# Altium PCB UHF Transceiver PCB.PcbDoc (part 4 of 5) (continued)
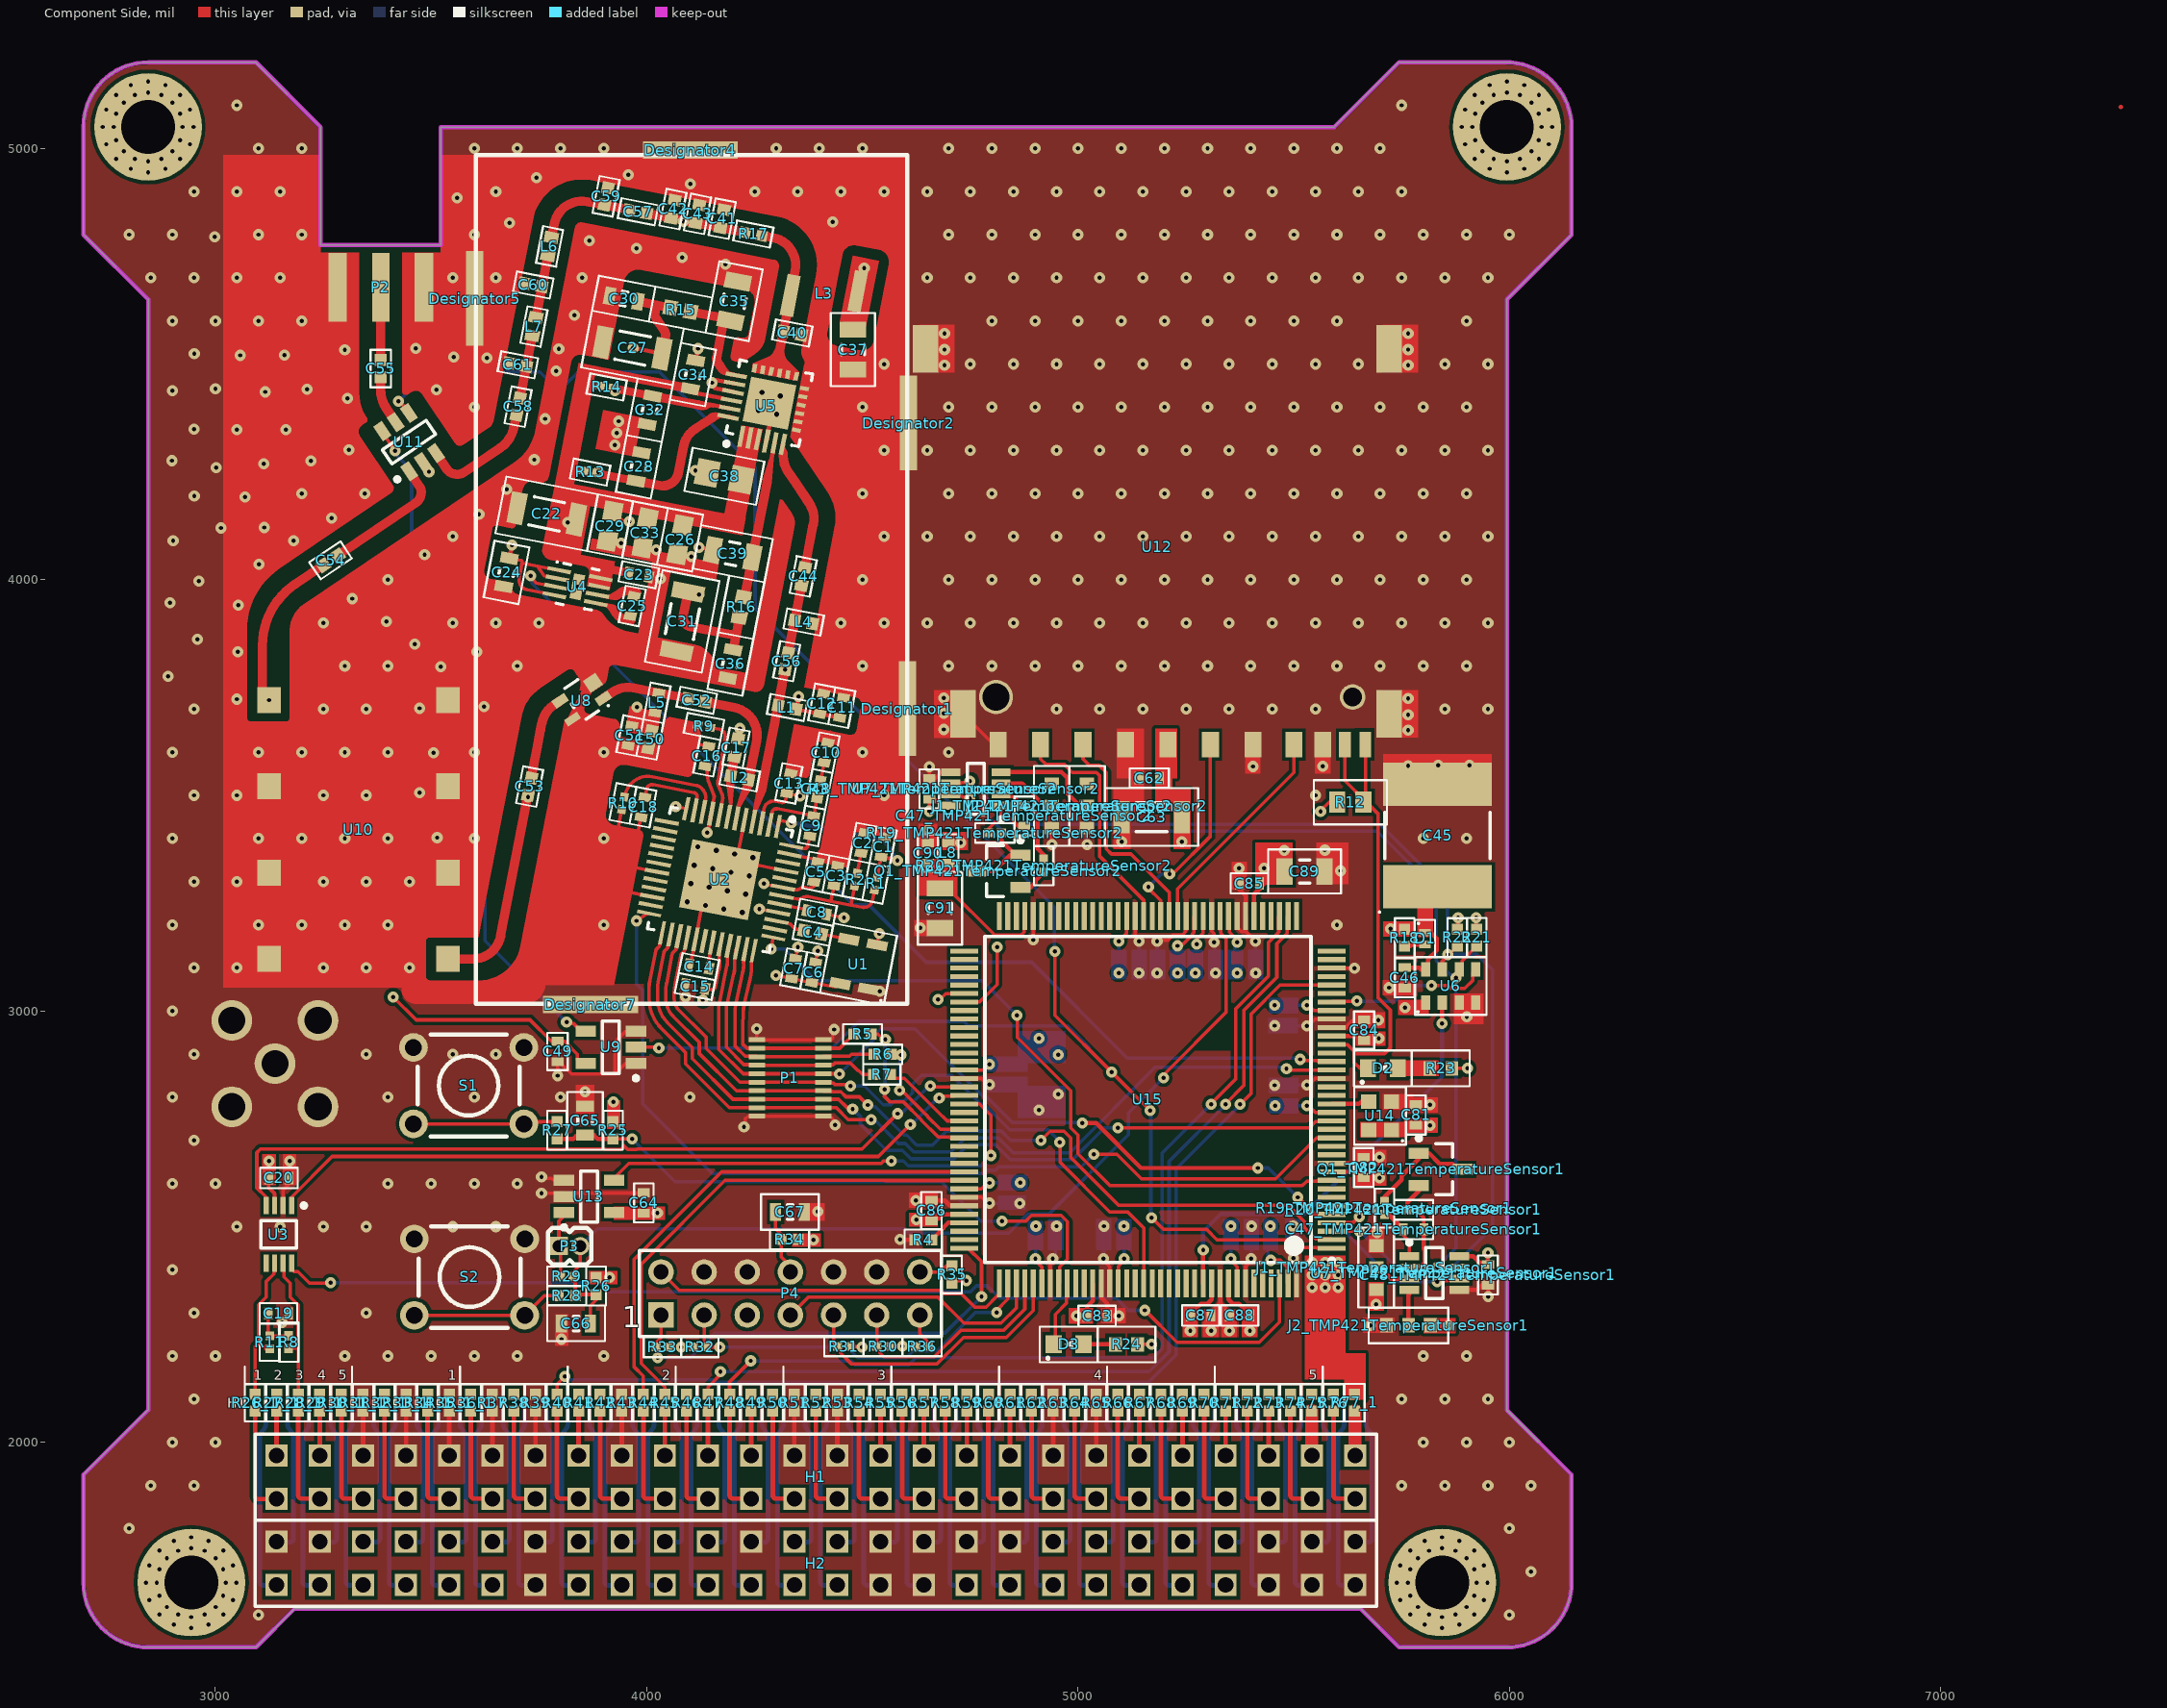
[diagram p0: Component Side view]
## Nets (pads, with @x,y where several pads share a name; then routed paths per layer and width w, separated by ;. In a path a pad name is that pad's centre, name@x,y a point inside that pad or via, vN(x,y) a via of type N, cw(c..) or ccw(c..) an arc to the next point about the centre after c; other vN are vias at no path point) (continued)
P94: R6.2 U15.94 | length 296.4
  Component Side w8: R6.2@4566.44,2894.73 R6.2@4568.27,2896.56 ; R6.2@4566.69,2899.31 4568,2898 v1(4589,2898) ; v1(4586,2816) 4590.83,2816 4604.83,2802 4605,2802 4651.92,2755.08 4651.92,2754.08 4680.52,2725.48 U15.94@4735.62,2725.48
  Solder Side w8: v1(4586,2816) 4587.5,2817.5 4587.5,2896.5 v1(4589,2898)
P95: R5.1 U15.95 | length 396.6
  Component Side w8: R5.1@4519.69,2946.63 4535.54,2946.63 4548.17,2934 v1(4553,2934) ; v1(4551,2818) 4551,2802.21 4550.9,2802.1 4564.08,2788.92 4595.32,2788.92 4635.92,2748.32 4635.92,2747.25 4675.53,2707.64 4701.3,2707.64 4703.14,2705.8 U15.95@4735.62,2705.8
  Solder Side w8: v1(4551,2818) 4552,2819 4552,2933 v1(4553,2934)
P98: U15.98
P99: H1.19 R44.1 R44.2 U15.99 | length 1433.4
  Component Side w8: R44.1@3991.92,2111.44 3991.92,2153.52 3971,2174.44 3971,2424.84 4173.22,2627.06 U15.99@4735.62,2627.06
  Component Side w10.8: R44.2@3991.92,2073 R44.2@3991.92,2072.07 3991.92,1877.55 ; H1.19@4041.92,1869.38 4000.09,1869.38 ; 3991.92,1877.55 ccw(c4000.09,1877.55) 4000.09,1869.38 ; 3991.92,1877.55 ccw(c4000.09,1877.55) 4000.09,1869.38
P100: H1.20 R45.1 R45.2 U15.100 | length 1257.6
  Component Side w8: R45.2@4041.92,2111.44 4041.92,2128.08 3987,2183 3987,2413 4181.37,2607.37 4552.76,2607.37 4553.05,2607.08 4735.33,2607.08 U15.100@4735.62,2607.37
  Component Side w10.8: H1.20@4041.92,1969.38 R45.1@4041.92,2072.07 R45.1@4041.92,2073.27
P128: U15.128
P129: U15.129
P131: U15.131
P132: U15.132
POWER1: H1.5 R30_1.1 R30_1.2 | length 263
  Component Side w10.8: R30_1.2@3291.92,2073 3291.92,1877.55 ; H1.5@3341.92,1869.38 3300.09,1869.38 ; 3291.92,1877.55 ccw(c3300.09,1877.55) 3300.09,1869.38 ; 3291.92,1877.55 ccw(c3300.09,1877.55) 3300.09,1869.38
POWER2: H1.7 R32_1.1 R32_1.2 | length 263
  Component Side w10.8: R32_1.2@3391.92,2073 3391.92,1877.55 ; H1.7@3441.92,1869.38 3400.09,1869.38 ; 3391.92,1877.55 ccw(c3400.09,1877.55) 3400.09,1869.38 ; 3391.92,1877.55 ccw(c3400.09,1877.55) 3400.09,1869.38
POWER3: H1.9 R34_1.1 R34_1.2 | length 263
  Component Side w10.8: R34_1.2@3491.92,2073 3491.92,1877.55 ; H1.9@3541.92,1869.38 3500.09,1869.38 ; 3491.92,1877.55 ccw(c3500.09,1877.55) 3500.09,1869.38 ; 3491.92,1877.55 ccw(c3500.09,1877.55) 3500.09,1869.38
POWER4: H1.11 R36_1.1 R36_1.2 | length 263
  Component Side w10.8: R36_1.2@3591.92,2073 3591.92,1877.55 ; H1.11@3641.92,1869.38 3600.09,1869.38 ; 3591.92,1877.55 ccw(c3600.09,1877.55) 3600.09,1869.38 ; 3591.92,1877.55 ccw(c3600.09,1877.55) 3600.09,1869.38
POWER5: H1.13 R38.1 R38.2 | length 263
  Component Side w10.8: R38.2@3691.92,2073 3691.92,1877.55 ; H1.13@3741.92,1869.38 3700.09,1869.38 ; 3691.92,1877.55 ccw(c3700.09,1877.55) 3700.09,1869.38 ; 3691.92,1877.55 ccw(c3700.09,1877.55) 3700.09,1869.38
POWER6: H1.17 R42.1 R42.2 | length 263
  Component Side w10.8: R42.2@3891.92,2073 3891.92,1877.55 ; H1.17@3941.92,1869.38 3900.09,1869.38 ; 3891.92,1877.55 ccw(c3900.09,1877.55) 3900.09,1869.38 ; 3891.92,1877.55 ccw(c3900.09,1877.55) 3900.09,1869.38
POWER7: H1.25 R50.1 R50.2 | length 263
  Component Side w10.8: R50.2@4291.92,2073 4291.92,1877.55 ; H1.25@4341.92,1869.38 4300.09,1869.38 ; 4291.92,1877.55 ccw(c4300.09,1877.55) 4300.09,1869.38 ; 4291.92,1877.55 ccw(c4300.09,1877.55) 4300.09,1869.38
POWER8: H1.27 R52.1 R52.2 | length 263
  Component Side w10.8: R52.2@4391.92,2073 4391.92,1877.55 ; H1.27@4441.92,1869.38 4400.09,1869.38 ; 4391.92,1877.55 ccw(c4400.09,1877.55) 4400.09,1869.38 ; 4391.92,1877.55 ccw(c4400.09,1877.55) 4400.09,1869.38
POWER9: H1.37 R62.1 R62.2 | length 263
  Component Side w10.8: R62.2@4891.92,2073 4891.92,1877.55 ; H1.37@4941.92,1869.38 4900.09,1869.38 ; 4891.92,1877.55 ccw(c4900.09,1877.55) 4900.09,1869.38 ; 4891.92,1877.55 ccw(c4900.09,1877.55) 4900.09,1869.38
POWER10: H1.39 R64.1 R64.2 | length 263
  Component Side w10.8: R64.2@4991.92,2073 4991.92,1877.55 ; H1.39@5041.92,1869.38 5000.09,1869.38 ; 4991.92,1877.55 ccw(c5000.09,1877.55) 5000.09,1869.38 ; 4991.92,1877.55 ccw(c5000.09,1877.55) 5000.09,1869.38
POWER11: H1.42 R67.1 R67.2 | length 103.9
  Component Side w10.8: H1.42@5141.92,1969.38 R67.1@5141.92,2073.27
POWER12: H1.44 R69.1 R69.2 | length 103.9
  Component Side w10.8: H1.44@5241.92,1969.38 R69.1@5241.92,2073.27
POWER13: H1.46 R71.1 R71.2 | length 103.9
  Component Side w10.8: H1.46@5341.92,1969.38 R71.1@5341.92,2073.27
POWER14: H1.47 R72.1 R72.2 | length 263
  Component Side w10.8: R72.2@5391.92,2073 5391.92,1877.55 ; H1.47@5441.92,1869.38 5400.09,1869.38 ; 5391.92,1877.55 ccw(c5400.09,1877.55) 5400.09,1869.38 ; 5391.92,1877.55 ccw(c5400.09,1877.55) 5400.09,1869.38
POWER15: H1.48 R73.1 R73.2 | length 103.9
  Component Side w10.8: H1.48@5441.92,1969.38 R73.1@5441.92,2073.27
POWER16: H1.49 R74.1 R74.2 | length 263
  Component Side w10.8: R74.2@5491.92,2073 5491.92,1877.55 ; H1.49@5541.92,1869.38 5500.09,1869.38 ; 5491.92,1877.55 ccw(c5500.09,1877.55) 5500.09,1869.38 ; 5491.92,1877.55 ccw(c5500.09,1877.55) 5500.09,1869.38
POWER17: 
POWER18: H1.51 R76.1 R76.2 | length 263
  Component Side w10.8: R76.2@5591.92,2073 5591.92,1877.55 ; H1.51@5641.92,1869.38 5600.09,1869.38 ; 5591.92,1877.55 ccw(c5600.09,1877.55) 5600.09,1869.38 ; 5591.92,1877.55 ccw(c5600.09,1877.55) 5600.09,1869.38
POWER19: 
POWER20: H2.1 R78.1 R78.2 | length 495
  Solder Side w10.8: R78.2@3116.92,2072.07 3116.92,2043.9 ; H2.1@3143.92,1668.44 3111.06,1668.44 ; 3102.89,1676.62 ccw(c3111.06,1676.62) 3111.06,1668.44 ; 3102.89,1676.62 ccw(c3111.06,1676.62) 3111.06,1668.44 ; 3102.89,1676.62 3102.89,2010.23 ; 3102.89,2010.23 cw(c3126.59,2010.23) 3109.83,2026.99 ; 3102.89,2010.23 cw(c3126.59,2010.23) 3109.83,2026.99 ; 3109.83,2026.99 3109.97,2027.13 ; 3109.97,2027.13 ccw(c3093.21,2043.9) 3116.92,2043.9 ; 3109.97,2027.13 ccw(c3093.21,2043.9) 3116.92,2043.9
POWER21: H2.3 R80.1 R80.2 | length 495
  Solder Side w10.8: R80.2@3216.92,2072.07 3216.92,2043.9 ; H2.3@3243.92,1668.44 3211.06,1668.44 ; 3202.89,1676.62 ccw(c3211.06,1676.62) 3211.06,1668.44 ; 3202.89,1676.62 ccw(c3211.06,1676.62) 3211.06,1668.44 ; 3202.89,1676.62 3202.89,2010.23 ; 3202.89,2010.23 cw(c3226.59,2010.23) 3209.83,2026.99 ; 3202.89,2010.23 cw(c3226.59,2010.23) 3209.83,2026.99 ; 3209.83,2026.99 3209.97,2027.13 ; 3209.97,2027.13 ccw(c3193.21,2043.9) 3216.92,2043.9 ; 3209.97,2027.13 ccw(c3193.21,2043.9) 3216.92,2043.9
POWER22: H2.23 R100.1 R100.2 | length 495
  Solder Side w10.8: R100.2@4216.92,2072.07 4216.92,2043.9 ; H2.23@4243.92,1668.44 4211.06,1668.44 ; 4202.89,1676.62 ccw(c4211.06,1676.62) 4211.06,1668.44 ; 4202.89,1676.62 ccw(c4211.06,1676.62) 4211.06,1668.44 ; 4202.89,1676.62 4202.89,2010.23 ; 4202.89,2010.23 cw(c4226.59,2010.23) 4209.83,2026.99 ; 4202.89,2010.23 cw(c4226.59,2010.23) 4209.83,2026.99 ; 4209.83,2026.99 4209.97,2027.13 ; 4209.97,2027.13 ccw(c4193.21,2043.9) 4216.92,2043.9 ; 4209.97,2027.13 ccw(c4193.21,2043.9) 4216.92,2043.9
POWER23: H2.33 R110.1 R110.2 | length 495
  Solder Side w10.8: R110.2@4716.92,2072.07 4716.92,2043.9 ; H2.33@4743.92,1668.44 4711.06,1668.44 ; 4702.89,1676.62 ccw(c4711.06,1676.62) 4711.06,1668.44 ; 4702.89,1676.62 ccw(c4711.06,1676.62) 4711.06,1668.44 ; 4702.89,1676.62 4702.89,2010.23 ; 4702.89,2010.23 cw(c4726.59,2010.23) 4709.83,2026.99 ; 4702.89,2010.23 cw(c4726.59,2010.23) 4709.83,2026.99 ; 4709.83,2026.99 4709.97,2027.13 ; 4709.97,2027.13 ccw(c4693.21,2043.9) 4716.92,2043.9 ; 4709.97,2027.13 ccw(c4693.21,2043.9) 4716.92,2043.9
POWER24: H2.35 R112.1 R112.2 | length 495
  Solder Side w10.8: R112.2@4816.92,2072.07 4816.92,2043.9 ; H2.35@4843.92,1668.44 4811.06,1668.44 ; 4802.89,1676.62 ccw(c4811.06,1676.62) 4811.06,1668.44 ; 4802.89,1676.62 ccw(c4811.06,1676.62) 4811.06,1668.44 ; 4802.89,1676.62 4802.89,2010.23 ; 4802.89,2010.23 cw(c4826.59,2010.23) 4809.83,2026.99 ; 4802.89,2010.23 cw(c4826.59,2010.23) 4809.83,2026.99 ; 4809.83,2026.99 4809.97,2027.13 ; 4809.97,2027.13 ccw(c4793.21,2043.9) 4816.92,2043.9 ; 4809.97,2027.13 ccw(c4793.21,2043.9) 4816.92,2043.9
RTCK: P4.9 R31.1 U15.113 | length 666.2
  Component Side w8: P4.9@4433,2295 4433,2231.21 R31.1@4442.2,2222 4443.16,2222 4449,2216.16 4449,2207.19 4474.11,2182.08 4673.11,2182.08 4734.03,2243 4833.5,2243 4896.06,2305.56 U15.113@4896.06,2368.2
SPI2_CLK: H1.21 R46.1 R46.2 | length 263
  Component Side w10.8: R46.2@4091.92,2073 4091.92,1877.55 ; H1.21@4141.92,1869.38 4100.09,1869.38 ; 4091.92,1877.55 ccw(c4100.09,1877.55) 4100.09,1869.38 ; 4091.92,1877.55 ccw(c4100.09,1877.55) 4100.09,1869.38
SPI3_CLK: H1.29 R54.1 R54.2 | length 263
  Component Side w10.8: R54.2@4491.92,2073 4491.92,1877.55 ; H1.29@4541.92,1869.38 4500.09,1869.38 ; 4491.92,1877.55 ccw(c4500.09,1877.55) 4500.09,1869.38 ; 4491.92,1877.55 ccw(c4500.09,1877.55) 4500.09,1869.38
SPI3_MISO: H1.30 R55.1 R55.2 | length 103.9
  Component Side w10.8: H1.30@4541.92,1969.38 R55.1@4541.92,2073.27
SPI3_MOSI: H1.31 R56.1 R56.2 | length 263
  Component Side w10.8: R56.2@4591.92,2073 4591.92,1877.55 ; H1.31@4641.92,1869.38 4600.09,1869.38 ; 4591.92,1877.55 ccw(c4600.09,1877.55) 4600.09,1869.38 ; 4591.92,1877.55 ccw(c4600.09,1877.55) 4600.09,1869.38
SPI4_CLK: H1.36 R61.1 R61.2 | length 103.9
  Component Side w10.8: H1.36@4841.92,1969.38 R61.1@4841.92,2073.27
SPI4_MISO: H1.33 R58.1 R58.2 | length 263
  Component Side w10.8: R58.2@4691.92,2073 4691.92,1877.55 ; H1.33@4741.92,1869.38 4700.09,1869.38 ; 4691.92,1877.55 ccw(c4700.09,1877.55) 4700.09,1869.38 ; 4691.92,1877.55 ccw(c4700.09,1877.55) 4700.09,1869.38
SPI4_MOSI: H1.35 R60.1 R60.2 | length 263
  Component Side w10.8: R60.2@4791.92,2073 4791.92,1877.55 ; H1.35@4841.92,1869.38 4800.09,1869.38 ; 4791.92,1877.55 ccw(c4800.09,1877.55) 4800.09,1869.38 ; 4791.92,1877.55 ccw(c4800.09,1877.55) 4800.09,1869.38
TCK: P4.11 R30.1 U15.112 | length 536.9
  Component Side w8: P4.11@4533,2295 4533.2,2294.8 R30.1@4533.2,2222 4534.16,2222 4540,2216.16 4540,2207.19 4549.11,2198.08 4666.48,2198.08 4728.48,2260.08 4827.95,2260.08 4876.37,2308.5 U15.112@4876.37,2368.2
TDI: P4.3 R32.1 U15.110 | length 881
  Component Side w8: P4.3@4133,2295 4133,2225.76 R32.1@4137.76,2221 v1(4169,2221) ; v1(4811,2301) 4811,2305.83 4837,2331.83 U15.110@4837,2368.2
  Solder Side w8: v1(4169,2221) 4463.76,2221 4488.68,2196.08 4601.32,2196.08 4617.24,2212 4672.63,2212 4761.63,2301 v1(4811,2301)
TDO: P4.7 U15.111 | length 637.3
  Component Side w8: P4.7@4333,2295 4374.53,2336.53 4674.6,2336.53 4735.05,2276.08 4821.32,2276.08 4856.69,2311.44 U15.111@4856.69,2368.2
TMS: P4.1 R33.1 U15.108 | length 1049.9
  Component Side w8: v1(4025,2196) 4023.24,2197.76 4023.24,2219.24 R33.1@4021.47,2221 4021.47,2230.84 4033,2242.37 P4.1@4033,2295 ; U15.108@4735.62,2449.89 4745,2449.89 4776,2418.89 v1(4776,2338)
  Solder Side w8: v1(4025,2196) 4045.16,2196 4046.16,2197 4047.08,2196.08 4101.08,2196.08 4158.47,2253.47 4691.47,2253.47 v1(4776,2338)
VBATT_1: H2.45 R122.1 R122.2 | length 495
  Solder Side w10.8: R122.2@5316.92,2072.07 5316.92,2043.9 ; H2.45@5343.92,1668.44 5311.06,1668.44 ; 5302.89,1676.62 ccw(c5311.06,1676.62) 5311.06,1668.44 ; 5302.89,1676.62 ccw(c5311.06,1676.62) 5311.06,1668.44 ; 5302.89,1676.62 5302.89,2010.23 ; 5302.89,2010.23 cw(c5326.59,2010.23) 5309.83,2026.99 ; 5302.89,2010.23 cw(c5326.59,2010.23) 5309.83,2026.99 ; 5309.83,2026.99 5309.97,2027.13 ; 5309.97,2027.13 ccw(c5293.21,2043.9) 5316.92,2043.9 ; 5309.97,2027.13 ccw(c5293.21,2043.9) 5316.92,2043.9
VBATT_2: H2.46 R123.1 R123.2 | length 374.4
  Solder Side w10.8: H2.46@5341.92,1768.44 5372.77,1768.44 ; R123.1@5366.92,2072.07 5366.92,2043.9 ccw(c5390.62,2043.9) 5373.86,2027.13 5374,2026.99 ; 5372.77,1768.44 ccw(c5372.77,1776.62) 5380.95,1776.62 ; 5372.77,1768.44 ccw(c5372.77,1776.62) 5380.95,1776.62 ; 5374,2026.99 cw(c5357.24,2010.23) 5380.95,2010.23 ; 5374,2026.99 cw(c5357.24,2010.23) 5380.95,2010.23 ; 5380.95,1776.62 5380.95,2010.23
VPA(3V3): C22.1 C23.2 C26.2 C29.2 C33.2 C34.1 C38.2 R13.2 R14.2 TP1.1 U4.7 U4.8 U5.1 U5.2 U5.3 U5.22 | length 496.8
  Component Side w10: C29.2@3921.43,4158.02 3944.45,4135 v1(3959,4135)
  Component Side w10.24: C34.1@4101.83,4434.48 U5.22@4176.57,4419.95
  Component Side w19.68: 3818.2,4259.41 R13.2@3854.23,4252.41 ; 3856.51,4456.51 R14.2@3892.54,4449.51
  Component Side w20: C23.2@3958.42,4015.83 3905.73,4026.07 ; 3905.73,4026.07 ccw(c3905.48,4024.8) 3904.21,4025.05 cw(c3905.48,4024.8) 3905.73,4026.07
  Component Side w21.55: 3862.78,4488.77 C34.1@4100.74,4442.51
  other v1: 3817,4133
VRF(3V3): C5.2 C6.2 C7.2 C11.2 C12.2 C13.2 C15.2 C16.2 C24.2 C37.2 C49.1 C50.2 C51.1 L1.2 L3.2 L5.1 U1.4 U2.3 U2.9 U2.32 U2.40 U2.43 U4.1 U4.2 U4.4 U9.5 | length 2019
  Component Side w8: v1(3412,3032.52) 3465.16,2979.36 3729.09,2979.36 3778.83,2929.62 C49.1@3793,2929.62 3809.38,2929.62 3839.07,2899.93 3839.07,2887.39 3847.86,2878.6 U9.5@3858.69,2878.6 ; C24.2@3671.19,4052.03 3681.3,4050.06 3682.04,4049.92 3708.16,4044.84 cw(c3707.47,4041.27) 3711.09,4040.83 ; 3709.76,4033.96 3706.96,4019.6 3704.09,4004.79 ccw(c3727.92,4000.16) 3723.29,3976.32 U4.4@3785.65,3964.2 ; 3747.03,4031.34 3761.87,4009.33 3775.12,4006.75 U4.2@3793.16,4003.25 ; U4.2@3774.95,4005.88 U4.2@3793.06,4002.36 ; U4.1@3796.82,4021.68 3747.03,4031.36 3724.37,4035.76 3712.89,4038 3711.07,4040.7 ; v1(4130.14,3026) 4130.14,3053.38 C15.2@4130.69,3053.94 ; C15.2@4133.69,3052.58 4135.15,3052.3 4149.92,3049.43 ; C16.2@4140.53,3562.23 ccw(c4194.17,3551.8) 4142.77,3533.25 ; v1@4142.8,3423.5 U2.9@4149.46,3457.77 U2.9@4149.19,3456.47 ; 4143.29,3531.85 4154.7,3502.76 4155,3502 ; U2.9@4148.75,3455.05 4149.11,3457.69 U2.9@4149.13,3457.83 ; U2.9@4148.93,3457.87 4155.84,3493.41 ; 4149.95,3049.55 ccw(c4151.42,3057.14) 4159,3055.64 ; 4159.39,3055.57 4167.12,3095.35 4167.26,3096.1 ; U2.32@4166.07,3131.96 4166.11,3130.75 4168.49,3143.01 U2.32@4170.02,3150.87 ; 4167.2,3095.33 ccw(c4106.47,3110.15) 4168.6,3117.05 ; 4167.81,3122.21 cw(c4106.47,3110.15) 4168.01,3121.11 ; 4168.81,3115.95 cw(c4230.15,3128.01) 4168.6,3117.05 ; U2.32@4169.41,3142.83 ccw(c4230.15,3128.01) 4168.01,3121.11 ; v1(4261,3236.5) U2.40@4304.37,3228.11 ; U2.3@4265.32,3435.24 4271.68,3467.93 ; v1@4271.44,3294.67 U2.43@4315.64,3286.08 U2.43@4342.16,3280.92 ; 4272.02,3468.69 cw(c4294,3464.41) 4298.27,3486.39 ; 4298.13,3486.25 4298.24,3486.23 4312.33,3483.49 ; v1(4299.9,3082.35) 4335.97,3075.34 C7.2@4336.87,3075.16 ; 4312.83,3483.49 ccw(c4314.35,3491.34) 4321.67,3488.13 ; 4321.65,3488.04 4321.67,3488.13 ; 4321.83,3488.93 C13.2@4324.83,3504.38 v1(4355.39,3498.44) ; 4321.89,3489.41 4321.95,3489.68 ; 4322.18,3489.75 cw(c4314.35,3491.34) 4321.67,3488.13 ; C7.2@4335.94,3075.18 C6.2@4382.31,3066.17 ; 4371.98,3285.28 4367.76,3286.13 ; 4372.05,3285.02 ccw(c4375.31,3301.77) C5.2@4392.03,3298.37 ; C6.2@4389.07,3064.85 C6.2@4382.31,3066.17 ; U1.4@4448.27,3063.61 4436.46,3055.64 C6.2@4382.31,3066.17 ; 3711.07,4040.7 ccw(c3707.47,4041.27) 3711.08,4040.75 ; 3711.07,4040.7 3709.77,4034.01 3711.08,4040.75 ; 3711.08,4040.75 ccw(c3707.47,4041.27) 3711.09,4040.83 ; 3711.08,4040.75 ccw(c3707.49,4041.4) 3711.09,4040.83 ; 3711.08,4040.75 3711.09,4040.83 ; 4168.01,3121.11 ccw(c4230.15,3128.01) 4168.6,3117.05 ; 4168.01,3121.11 cw(c4106.47,3110.15) 4168.6,3117.05 ; 4321.67,3488.13 4321.81,3488.86 ; 4321.81,3488.86 ccw(c4313.44,3490.56) 4321.82,3488.92 4321.81,3488.86 ; U2.43@4342.16,3280.92 ccw(c4345.36,3297.39) 4354.73,3283.48 ; U2.43@4342.16,3280.92 ccw(c4345.36,3297.39) 4354.73,3283.48 ; 4354.73,3283.48 cw(c4364.45,3269.08) 4367.76,3286.13 ; 4354.73,3283.48 cw(c4364.45,3269.08) 4367.76,3286.13 ; C5.2@4392.06,3298.51 4392.92,3302.94 ccw(c4371.86,3307.23) 4392.96,3303.13 C5.2@4392.06,3298.51
  Component Side w8.1: 4154.46,3503.23 cw(c4141.17,3496.27) 4154.7,3502.76 cw(c4141.17,3496.27) 4155.9,3493.4
  Component Side w10: C24.2@3682,4049.72 3682.04,4049.92 v1(3687.38,4080.68) v1@3687.62,4082.05 ; C51.1@3965.36,3661.69 3967.31,3671.73 3976.81,3681.23 3976.81,3682.05 ; v1(3976.81,3704.38) 3973.44,3687.04 3976.81,3682.05 ; C50.2@4011.06,3649.19 3997.14,3651.9 3982.66,3673.36 3976.81,3682.05 ; v1@4137.87,3412.27 4140.36,3413.95 4140.92,3414.33 4142.71,3423.52 4149.1,3456.41 U2.9@4149.19,3456.47 ; L1.2@4346.34,3699.61 L1.2@4346.43,3699.68 ; L1.2@4346.47,3700.28 v1(4352.06,3729.06) ; L1.2@4346.56,3700.34 L1.2@4346.43,3699.68 ; C11.2@4447.26,3680.08 C12.2@4400.88,3689.09 L1.2@4346.43,3699.68
  other v1: 4271.61,3295.54 4140.33,3414 4504,4722.54
VRTC(2V9): C45.1 C46.1 D1.2 U6.8 | length 165.2
  Component Side w10: C46.1@5757,3100.62 5790.62,3100.62 5794.86,3096.39 U6.8@5805.69,3096.39 5811.51,3102.21 5811.51,3120.71 5830.78,3139.98 5830.78,3168.46 5821.32,3177.92 5807.86,3177.92 D1.2@5804,3181.78
pads on no net: U2.13 U2.14 U2.15 U2.16 U2.17 U2.18 U2.20 U2.21 U2.23 U2.30 U2.38 U2.44 U2.46 U15.7 U15.8 U15.19 U15.20 U15.119
copper on no net: | length 1
  Component Side w10: 7417.15,5096.45 7417.82,5095.77
  other v2: 2943.98,1569.7 5843.98,1569.7 2903.8,1577.69 2984.16,1577.69 5803.8,1577.69 5884.16,1577.69 2943.98,1594.7 5843.98,1594.7 2869.73,1600.46 3018.22,1600.46 5769.73,1600.46 5918.22,1600.46 2913.36,1600.79 2974.59,1600.79 5813.36,1600.79 5874.59,1600.79 2887.41,1618.13 3000.55,1618.13 5787.41,1618.13 5900.55,1618.13 2846.97,1634.52 3040.99,1634.52 5746.97,1634.52 5940.99,1634.52 2870.07,1644.09 3017.89,1644.09 5770.07,1644.09 5917.89,1644.09 2838.98,1674.7 2863.98,1674.7 3023.98,1674.7 3048.98,1674.7 5738.98,1674.7 5763.98,1674.7 5923.98,1674.7 5948.98,1674.7 2870.07,1705.32 3017.89,1705.32 5770.07,1705.32 5917.89,1705.32 2846.97,1714.88 3040.99,1714.88 5746.97,1714.88 5940.99,1714.88 2887.41,1731.27 3000.55,1731.27 5787.41,1731.27 5900.55,1731.27 2869.73,1748.95 2913.36,1748.61 2974.59,1748.61 3018.22,1748.95 5769.73,1748.95 5813.36,1748.61 5874.59,1748.61 5918.22,1748.95 2943.98,1754.7 5843.98,1754.7 2903.8,1771.71 2984.16,1771.71 5803.8,1771.71 5884.16,1771.71 2943.98,1779.7 5843.98,1779.7 2843.98,4944.7 5993.98,4944.7 2803.8,4952.7 2884.16,4952.7 5953.8,4952.69 6034.16,4952.69 2843.98,4969.7 5993.98,4969.7 2769.73,4975.46 2918.22,4975.46 5919.73,4975.46 6068.22,4975.46 2813.36,4975.79 2874.59,4975.79 5963.36,4975.79 6024.59,4975.79 2787.41,4993.13 2900.55,4993.13 5937.41,4993.13 6050.55,4993.13 2746.97,5009.52 2940.98,5009.52 5896.97,5009.52 6090.99,5009.52 2770.07,5019.09 2917.89,5019.09 5920.07,5019.09 6067.89,5019.09 2738.98,5049.7 2763.98,5049.7 2923.98,5049.7 2948.98,5049.7 5888.98,5049.7 5913.98,5049.7 6073.98,5049.7 6098.98,5049.7 2770.07,5080.32 2917.89,5080.32 5920.07,5080.32 6067.89,5080.32 2746.97,5089.88 2940.99,5089.88 5896.97,5089.88 6090.99,5089.88 2787.41,5106.27 2900.55,5106.27 5937.41,5106.27 6050.55,5106.27 2769.73,5123.95 2813.36,5123.61 2874.59,5123.61 2918.22,5123.95 5919.73,5123.95 5963.36,5123.61 6024.59,5123.61 6068.22,5123.95 2843.98,5129.7 5993.98,5129.7 2803.8,5146.71 2884.16,5146.71 5953.8,5146.71 6034.16,5146.71 2843.98,5154.7 5993.98,5154.7

## Polygon pours and split planes (outlines as drawn)
+3V3 on +3V3 "+3V3-+3V3" (solid, remove dead copper, pour order 17): 2601.81,5324.38 2616.81,5309.38 2616.81,1439.38 6406.81,1439.38 6466.81,1499.38 6461.81,1504.38 6461.81,5354.38
VRF(3V3) on +3V3 "+3V3-VRF(3V3)" (solid, remove dead copper, pour order 10): 3018.63,5049.7 4608,5049.7 4608,3009.38 3018.63,3009.38
+1V2 on +3V3 "+3V3-+1V2 1" (solid, pour order 12): 5522,2439 5622,2439 5622,2337 5523,2337 5522,2336
+1V2 on +3V3 "+3V3-+1V2 2" (solid, pour order 13): 5413.34,2540.71 5548,2540.71 5548,2407 5473.21,2407
+1V2 on +3V3 "+3V3-+1V2" (solid, remove dead copper, pour order 11): 4832,2470.79 4832,3121 5488,3121 5488,2470.79
GND on Component Side "Component Side-GND" (solid, remove dead copper, pour order 21): 2651,3065.81 2651,1453 4842,1453 4842,3060.46
GND on Component Side "Component Side-GND 2" (solid, remove dead copper, pour order 27): 2662.07,3028 3007.35,3028 3032,3052.65 3032,5295 2667.61,5295
GND on Component Side "Component Side-GND 4" (solid, remove dead copper, pour order 23): 4584.1,2860 6206,2860 6206,5230 4589.9,5230
GND on Component Side "Component Side-GND 1" (solid, remove dead copper, pour order 29): 5097,4977 5097,5293 2830,5293 2830,4982.54
GND on Component Side "Component Side-GND 3" (solid, remove dead copper, pour order 25): 4604.03,1468 6202,1468 6202,2907 4607.54,2907
GND on Solder Side "Solder Side-GND" (solid, remove dead copper, pour order 19): 2546,5431 2526,5411 2526,1423 6633,1423 6633,5372.5
GND on GND (split plane): 167 vertices, not listed, extent 2700,1530.72 6137.96,5193.71

## Keep-outs
Keep-Out Layer:
  the board outline again, w10

## Other copper
Component Side:
  region net VRF(3V3): 4508.4,4586.61 4538.18,4739.84 4477.1,4751.71 4447.31,4598.48
  region net VRF(3V3): 4022.15,3632.55 4033.84,3692.7 3960.23,3707.01 3948.54,3646.86
  region net GND: 3971.44,4284.89 3989.23,4376.37 3898.81,4393.95 3881.02,4302.46
  region net VPA(3V3): 3760.64,4086.17 3803.36,4077.87 3884.57,4495.62 3841.84,4503.92
  region net VPA(3V3): 3788.61,4230.07 3780.31,4187.35 4221.38,4101.61 4229.68,4144.34
  region net VPA(3V3): 4172.72,4118.2 4222.22,4108.58 4268.99,4349.16 4219.48,4358.78
  region net GND: 226 vertices and 0 holes, not listed, extent 3018.63,3016 4343.04,4984.71
  region net GND: 3554.76,4317.27 ccw(c3566.85,4325.42) 3575,4313.33 3636.88,4355.07 ccw(c3627.64,4368.76) 3643.85,4365.61 3735.95,4835.42 cw(c3848.49,4813.53) 3870.38,4926.07 4302.46,4842.14 cw(c4280.59,4729.61) 4393.12,4707.74 4442.2,4698.2 4452.86,4753.01 cw(c4480.5,4747.64) 4485.87,4775.28 4538.88,4764.98 cw(c4533.51,4737.34) 4561.15,4731.96 4526.6,4554.23 cw(c4498.96,4559.6) 4493.59,4531.96 4440.58,4542.27 cw(c4445.95,4569.91) 4418.31,4575.28 4442.2,4698.2 4393.12,4707.74 4359.03,4532.38 ccw(c4384.37,4527.45) 4362.97,4513.02 cw(c4347.89,4502.84) 4365.75,4499.37 4333.14,4331.63 4418.82,4204.61 cw(c4327.02,4142.69) 4435.71,4121.55 4365.58,3750.86 4484.65,3727.34 cw(c4481.54,3711.37) 4497.51,3708.27 4494.72,3693.94 4489.12,3664.96 4486.4,3650.96 cw(c4473.4,3653.48) 4470.87,3640.48 4454.46,3643.67 4341.86,3665.56 4319.31,3549.57 4365.96,3540.5 ccw(c4367.7,3549.48) 4376.68,3547.74 4390.55,3619.08 cw(c4397.45,3617.74) 4398.79,3624.64 4439.08,3616.81 cw(c4437.17,3607.01) 4446.97,3605.11 4396.56,3345.77 4459.88,3333.46 ccw(c4461.25,3340.5) 4468.29,3339.13 4476.46,3381.17 4482.34,3411.46 cw(c4486.86,3410.58) 4487.74,3415.1 4604.2,3392.46 4603.97,4984.71 3522.42,4984.71 3522.42,4757.68 3433.2,4757.68 3433.2,4433.33 ccw(c3441.52,4438.95) 3447.14,4430.62 3453.53,4434.94 cw(c3464.2,4419.12) 3480.02,4429.79
  region net VPA(3V3): 3758.21,4073.67 ccw(c3781.22,4069.2) 3776.75,4046.18 3855.31,4030.91 cw(c3852.48,4016.33) 3867.06,4013.49 3861.58,3985.3 3913.25,3975.26 3926.39,4042.89 3846.71,4058.38 3869.21,4174.14 3781.07,4191.28
  region net +1V2: 5526,2432 5620,2432 5620,2146 5526,2146
  region net +1V2: 5617,2099 5666,2099 5666,2206 5622,2206 5617,2211
  region net +3V3: 3139.47,2667.74 3139.47,2596.74 3109.22,2596.74 3109.22,2667.74
  region net GND: 3186.71,2667.74 3186.71,2596.74 3156.46,2596.74 3156.46,2667.74
  region net GND: 3877.48,2828.75 3877.48,2762.75 3836.14,2762.75 3836.14,2828.75
  region net +3V3: 3938,2792.87 3938,2726.87 3907.75,2726.87 3907.75,2792.87
  region net +3V3: 3990,2516.5 3924,2516.5 3924,2546.75 3990,2546.75
  region net +3V3: 4042,2516.38 3976,2516.38 3976,2546.63 4042,2546.63
  region net +3V3: 3931.51,2367.06 3865.51,2367.06 3865.51,2397.31 3931.51,2397.31
  region net GND: 3787.53,2224 3787.53,2296 3817.78,2296 3817.78,2224
  region net +3V3: 4337,2484 4403,2484 4403,2453.75 4337,2453.75
  region net GND: 4353,2554 4412,2554 4412,2514 4353,2514
  region net +3V3: 5643.8,2952.24 5711.8,2952.24 5711.8,2919.76 5643.8,2919.76
  region net GND: 5673.51,2439 5673.51,2500 5708.87,2500 5708.87,2439
  region net +3V3: 5708.49,2371 5708.49,2305 5673.13,2305 5673.13,2371
  region net +3V3: 5801.62,2288.13 5875,2288.13 5875,2253.13 5801.62,2253.13
  region net GND: 4620,3211 4710,3211 4710,3173.57 4620,3173.57
  region net GND: 5708,3511.73 5708,3595 5958,3595 5958,3511.73
  region net GND: 4631.83,4590.46 4712.87,4590.46 4712.87,4480.46 4631.83,4480.46
  region net GND: 5706.64,4590.46 5787.68,4590.46 5787.68,4480.46 5706.64,4480.46
  region net GND: 4747.17,3633.09 4666.13,3633.09 4666.13,3743.09 4747.17,3743.09
  region net GND: 5706.64,3744 5787.68,3744 5787.68,3634 5706.64,3634
  region net GND: 5583.64,3632.04 5584.64,3631.04 5584.64,3551 5549.64,3551 5549.64,3632.04
  region net GND: 5421.24,3632.04 5422.24,3631.04 5422.24,3551 5387.24,3551 5387.24,3632.04
  region net +3V3: 5178.84,3514 5260.38,3514 5260.38,3463 5178.84,3463
  region net +3V3: 5178.84,3477.17 5178.84,3588.17 5217.6,3588.17 5217.6,3477.17
  region net GND: 5151.96,3462.84 5081.79,3462.84 5081.79,3514 5151.96,3514
  region net GND: 5123.21,3474.45 5123.21,3577.21 5151.96,3577.21 5151.96,3474.45
  region net +3V3: 5178.84,3540.16 5178.84,3654.89 5228.8,3654.89 5228.8,3540.16
  region net GND: 5090,3540.16 5090,3654.89 5152,3654.89 5152,3540.16
  region net GND: 5082.24,3376 5082.24,3487 5121,3487 5121,3376
  region net +3V3: 5221,3376 5221,3487 5260.38,3487 5260.38,3376
  region net +3V3: 5812,2990.87 5742,2990.87 5742,3025.87 5811,3025.87 5812,3024.87
  region net GND: 5938.96,3039.61 5938.96,2969.61 5872,2969.61 5872,3039.61
  region net GND: 5777,3036.25 5707,3036.25 5707,3071.25 5776,3071.25 5777,3070.25
  region net +3V3: 5777,3172.37 5708,3172.37 5708,3207.37 5776,3207.37 5777,3206.37
  region net VRTC(2V9): 5786.87,3172 5786.87,3279 5821.87,3279 5821.87,3172
  region net NetD2_1: 5835.41,2849.87 5723,2849.87 5723,2884.87 5834.41,2884.87 5835.41,2883.87
  region net GND: 5706.57,2806.61 5776.58,2806.61 5776.58,2771.61 5707.57,2771.61 5706.57,2772.61
  region net +3V3: 5755,2752.51 5833,2752.51 5833,2717.51 5755,2717.51
  region net GND: 5755.15,2799.75 5833,2799.75 5833,2764.75 5755.15,2764.75
  region net +3V3: 5763,2707.39 5653.98,2707.39 5653.98,2742.39 5763,2742.39
  region net GND: 5733.64,2253.87 5661,2253.87 5661,2288.87 5733.64,2288.87
  region net +3V3: 4674,2501 4608,2501 4608,2531.25 4674,2531.25
  region net GND: 4674,2543.49 4608,2543.49 4608,2578.49 4674,2578.49
  region net +3V3: 5034.38,2275.87 4978.22,2275.87 4978.22,2310.87 5034.38,2310.87
  region net GND: 5053.62,2311 5109.78,2311 5109.78,2276 5053.62,2276
  region net +3V3: 5277.51,2314 5277.51,2244 5242.51,2244 5242.51,2313 5243.51,2314
  region net GND: 5324.75,2308 5324.75,2244 5289.75,2244 5289.75,2308
  region net GND: 5367.88,2308 5367.88,2244 5332.88,2244 5332.88,2308
  region net +3V3: 5415.13,2314 5415.13,2244 5380.13,2244 5380.13,2313 5381.13,2314
  region net +3V3: 5642,2630.51 5714.64,2630.51 5714.64,2595.51 5643,2595.51 5642,2596.51
  region net GND: 5642,2677.75 5714.64,2677.75 5714.64,2642.75 5643,2642.75 5642,2643.75
  region net GND: 5643,2996.24 5711,2996.24 5711,2961.24 5644,2961.24 5643,2962.24
  region net GND: 5357,3281.83 5356,3282.83 5356,3345.77 5391,3345.77 5391,3281.83
  region net GND: 4631,3380 4631,3434 4673,3434 4673,3380
  region net +3V3: 4685,3373 4685,3415 4744,3415 4744,3372.3
  region net +3V3: 5496.62,3390 5496.62,3293.5 5411,3293.5 5411,3390
  region net GND: 5553,3390 5626,3390 5626,3294 5553,3294
  region net +3V3: 5422,3341 5420.62,3339.62 5420.62,3296 5481.54,3296 5478.69,3298.85 5478.69,3339.69 5480,3341
  region net NetC90_2: 4719.83,3267.02 4720.16,3352.29 4631,3352.29 4631,3267.02
  region net GND: 3860.3,3763.74 3810.3,3665.88 3848.1,3689.31 3881.88,3759.54
  region net GND: 3870.92,3638.01
  region net NetC52_2: 4208.03,3474.64 4217.27,3472.84 4243.85,3517.94 4223.61,3524.26
  region net NetC56_2: 4245.83,3463.49 4255.26,3461.65 4276.85,3511.53 4256.4,3517.91
  region: 4484.3,3651.36
  region net GND: 4320.13,4710
  region: 4498.91,4617.57
  region net NetC17_2: 4198.19,3476.53 4191.4,3477.85 4181.88,3541.42 4203.24,3539.68
  region net NetC25_2: 3951.76,3964.73
  region: 3928.09,3979.55
  region: 3943.22,3920.81
  region: 3915.72,3915.93
  region: 4183.44,4501.76
  region: 4155.94,4496.89
  region net NetC28_1: 4146.9,4373.09
  region net NetC28_1: 4156.05,4360.84
  region net NetC39_1: 4283.88,4280.21 4293.93,4278.25 4289.6,4226.64 4268.56,4230.73
  region net NetC44_2: 4326.31,4282.52
  region net NetC40_2: 4242.09,4481.37 4349.25,4460.54 4353.34,4481.6 4306.97,4526.88 4246.06,4501.8